# Altium PCB PCB_IC.PcbDoc (part 2 of 4)
Units mm, origin at the board's own origin, x right, y up, seen from the top; angles counter-clockwise.
Board outline 86.27 x 163.53 mm, 4 copper layers (Top Layer, Mid 1, Mid 2, Bottom Layer), stack 0.778 mm thick; 429 components, 360 nets, 1348 pads, 311 vias.
Unrouted connection lines stored in the file: 4.
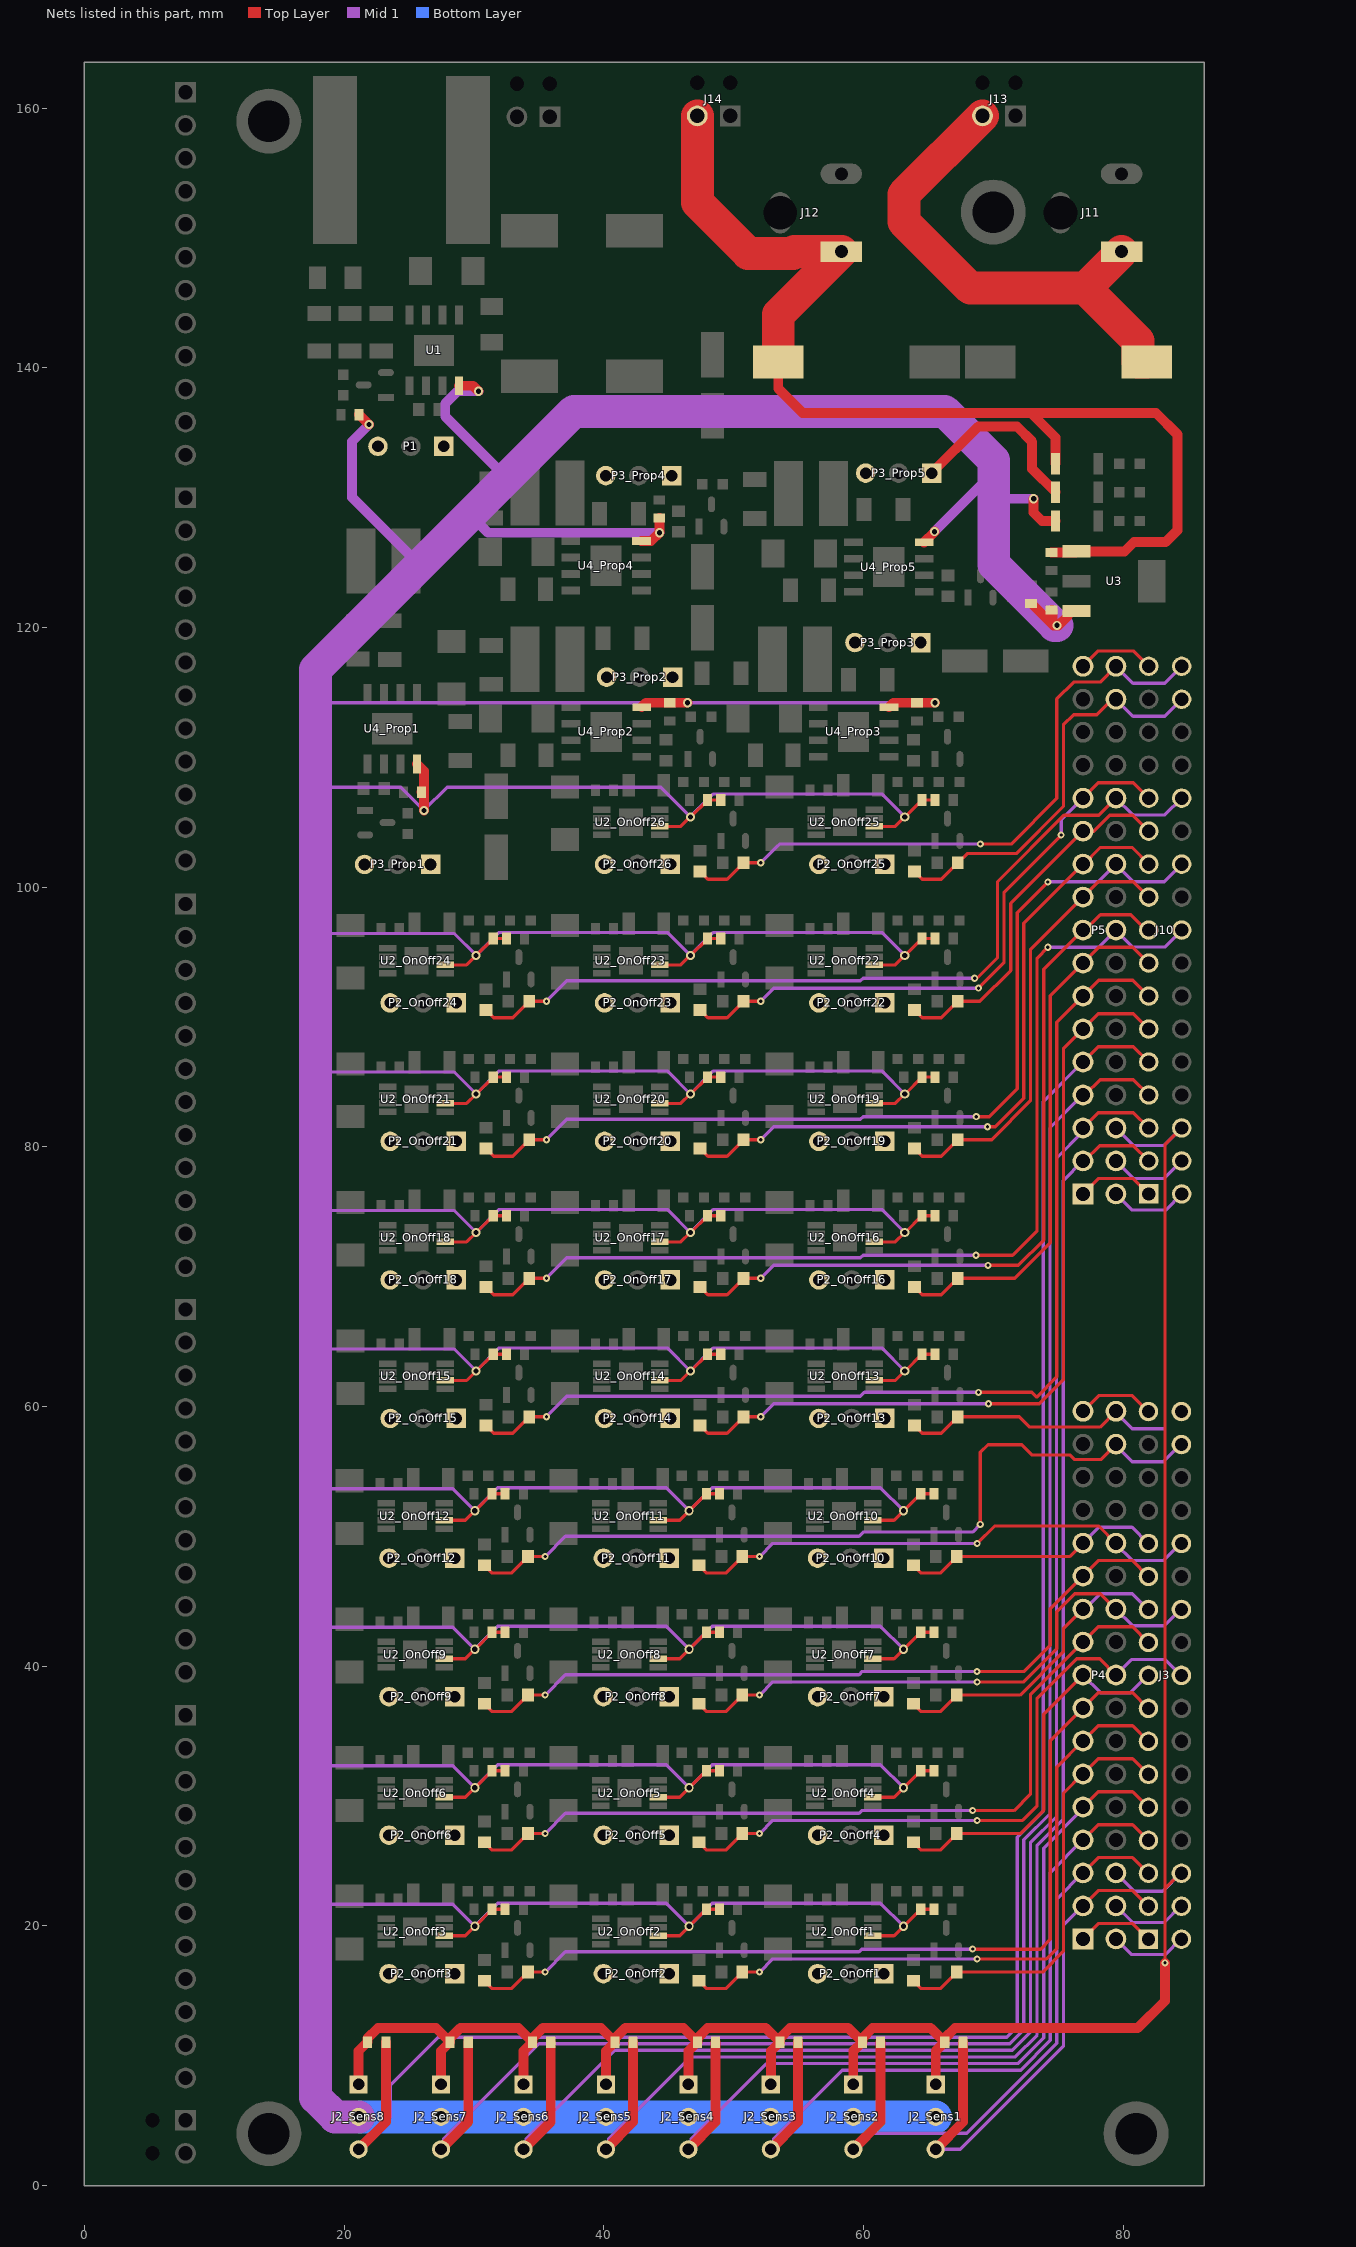
[diagram p4: the nets of this part, all layers, seen from the top]

## Components (designator, comment, footprint, x,y, rotation, side; value= is the part's Value field where it differs from the comment) (continued)
R10_OnOff21 "960R 1206" RESC1206(3216)_L 26.77,86.518 r0 top value="953.00 Ohm" (schematic designator R10)
R10_OnOff22 "960R 1206" RESC1206(3216)_L 59.79,97.186 r0 top value="953.00 Ohm" (schematic designator R10)
R10_OnOff23 "960R 1206" RESC1206(3216)_L 43.28,97.186 r0 top value="953.00 Ohm" (schematic designator R10)
R10_OnOff24 "960R 1206" RESC1206(3216)_L 26.77,97.186 r0 top value="953.00 Ohm" (schematic designator R10)
R10_OnOff25 "960R 1206" RESC1206(3216)_L 59.79,107.854 r0 top value="953.00 Ohm" (schematic designator R10)
R10_OnOff26 "960R 1206" RESC1206(3216)_L 43.28,107.854 r0 top value="953.00 Ohm" (schematic designator R10)
R11 "5K49 1206" R-1206 76.438,132.626 r180 top value="10000.00 Ohm"
R12 "750R 1206" R-1206 76.438,128.206 r180 top value="10000.00 Ohm"
R13 "2K49 1206" R-1206 76.438,130.429 r180 top value="10000.00 Ohm"
R14_Sens1 "DNP" RESC0603(1608)_L 66.963,11.049 r180 top value="249.00 Ohm" (schematic designator R14)
R14_Sens2 "DNP" RESC0603(1608)_L 60.613,11.049 r180 top value="249.00 Ohm" (schematic designator R14)
R14_Sens3 "DNP" RESC0603(1608)_L 54.263,11.049 r180 top value="249.00 Ohm" (schematic designator R14)
R14_Sens4 "DNP" RESC0603(1608)_L 47.913,11.049 r180 top value="249.00 Ohm" (schematic designator R14)
R14_Sens5 "DNP" RESC0603(1608)_L 41.563,11.049 r180 top value="249.00 Ohm" (schematic designator R14)
R14_Sens6 "DNP" RESC0603(1608)_L 35.213,11.049 r180 top value="249.00 Ohm" (schematic designator R14)
R14_Sens7 "DNP" RESC0603(1608)_L 28.863,11.049 r180 top value="249.00 Ohm" (schematic designator R14)
R14_Sens8 "DNP" RESC0603(1608)_L 22.513,11.049 r180 top value="249.00 Ohm" (schematic designator R14)
R15_Prop1 "500R" RESC0603(1608)_L 25.26,107.321 r0 top value="510.00 Ohm" (schematic designator R15)
R15_Prop2 "500R" RESC0603(1608)_L 45.08,113.51 r90 top value="510.00 Ohm" (schematic designator R15)
R15_Prop3 "500R" RESC0603(1608)_L 64.13,113.51 r90 top value="510.00 Ohm" (schematic designator R15)
R15_Prop4 "500R" RESC0603(1608)_L 44.281,129.135 r270 top value="510.00 Ohm" (schematic designator R15)
R15_Prop5 "500R" RESC0603(1608)_L 72.907,122.555 r270 top value="510.00 Ohm" (schematic designator R15)
R16_Prop1 "10K" RESC0603(1608)_N 22.297,107.593 r180 top value="10000.00 Ohm" (schematic designator R16)
R16_Prop2 "10K" RESC0603(1608)_N 44.808,110.546 r270 top value="10000.00 Ohm" (schematic designator R16)
R16_Prop3 "10K" RESC0603(1608)_N 63.858,110.546 r270 top value="10000.00 Ohm" (schematic designator R16)
R16_Prop4 "10K" RESC0603(1608)_N 45.754,128.168 r90 top value="10000.00 Ohm" (schematic designator R16)
R16_Prop5 "10K" RESC0603(1608)_N 66.506,123.215 r270 top value="10000.00 Ohm" (schematic designator R16)
R17_Prop1 "1R 1206" RESC1206(3216)_N 21.066,119.026 r270 top value="1.20 Ohm" (schematic designator R17)
R17_Prop2 "1R 1206" RESC1206(3216)_N 34.089,110.165 r0 top value="1.20 Ohm" (schematic designator R17)
R17_Prop3 "1R 1206" RESC1206(3216)_N 53.139,110.165 r0 top value="1.20 Ohm" (schematic designator R17)
R17_Prop4 "1R 1206" RESC1206(3216)_N 34.07,122.961 r0 top value="1.20 Ohm" (schematic designator R17)
R17_Prop5 "1R 1206" RESC1206(3216)_N 55.847,122.866 r0 top value="1.20 Ohm" (schematic designator R17)
U1 "DRV8870" SOIC127P600X170_HS-9N 26.933,141.351 r90 top
U2_OnOff1 "TPS1H000" TSOP65P490X110_HS-9N 58.48,19.558 r180 top (schematic designator U2)
U2_OnOff2 "TPS1H000" TSOP65P490X110_HS-9N 41.983,19.564 r180 top (schematic designator U2)
U2_OnOff3 "TPS1H000" TSOP65P490X110_HS-9N 25.473,19.564 r180 top (schematic designator U2)
U2_OnOff4 "TPS1H000" TSOP65P490X110_HS-9N 58.493,30.232 r180 top (schematic designator U2)
U2_OnOff5 "TPS1H000" TSOP65P490X110_HS-9N 41.983,30.232 r180 top (schematic designator U2)
U2_OnOff6 "TPS1H000" TSOP65P490X110_HS-9N 25.473,30.232 r180 top (schematic designator U2)
U2_OnOff7 "TPS1H000" TSOP65P490X110_HS-9N 58.493,40.9 r180 top (schematic designator U2)
U2_OnOff8 "TPS1H000" TSOP65P490X110_HS-9N 41.983,40.9 r180 top (schematic designator U2)
U2_OnOff9 "TPS1H000" TSOP65P490X110_HS-9N 25.473,40.9 r180 top (schematic designator U2)
U2_OnOff10 "TPS1H000" TSOP65P490X110_HS-9N 58.493,51.568 r180 top (schematic designator U2)
U2_OnOff11 "TPS1H000" TSOP65P490X110_HS-9N 41.983,51.568 r180 top (schematic designator U2)
U2_OnOff12 "TPS1H000" TSOP65P490X110_HS-9N 25.473,51.568 r180 top (schematic designator U2)
U2_OnOff13 "TPS1H000" TSOP65P490X110_HS-9N 58.589,62.332 r180 top (schematic designator U2)
U2_OnOff14 "TPS1H000" TSOP65P490X110_HS-9N 42.079,62.332 r180 top (schematic designator U2)
U2_OnOff15 "TPS1H000" TSOP65P490X110_HS-9N 25.569,62.332 r180 top (schematic designator U2)
U2_OnOff16 "TPS1H000" TSOP65P490X110_HS-9N 58.589,73 r180 top (schematic designator U2)
U2_OnOff17 "TPS1H000" TSOP65P490X110_HS-9N 42.079,73 r180 top (schematic designator U2)
U2_OnOff18 "TPS1H000" TSOP65P490X110_HS-9N 25.569,73 r180 top (schematic designator U2)
U2_OnOff19 "TPS1H000" TSOP65P490X110_HS-9N 58.589,83.668 r180 top (schematic designator U2)
U2_OnOff20 "TPS1H000" TSOP65P490X110_HS-9N 42.079,83.668 r180 top (schematic designator U2)
U2_OnOff21 "TPS1H000" TSOP65P490X110_HS-9N 25.569,83.668 r180 top (schematic designator U2)
U2_OnOff22 "TPS1H000" TSOP65P490X110_HS-9N 58.589,94.336 r180 top (schematic designator U2)
U2_OnOff23 "TPS1H000" TSOP65P490X110_HS-9N 42.079,94.336 r180 top (schematic designator U2)
U2_OnOff24 "TPS1H000" TSOP65P490X110_HS-9N 25.569,94.336 r180 top (schematic designator U2)
U2_OnOff25 "TPS1H000" TSOP65P490X110_HS-9N 58.589,105.004 r180 top (schematic designator U2)
U2_OnOff26 "TPS1H000" TSOP65P490X110_HS-9N 42.079,105.004 r180 top (schematic designator U2)
U3 "UA78M05CDCYR" FP-DCY0004A-MFG 79.303,123.571 r0 top
U4_Prop1 "DRV8870" SOIC127P600X170_HS-9N 23.71,112.205 r90 top (schematic designator U4)
U4_Prop2 "DRV8870" SOIC127P600X170_HS-9N 40.196,111.959 r180 top (schematic designator U4)
U4_Prop3 "DRV8870" SOIC127P600X170_HS-9N 59.246,111.959 r180 top (schematic designator U4)
U4_Prop4 "DRV8870" SOIC127P600X170_HS-9N 40.177,124.755 r180 top (schematic designator U4)
U4_Prop5 "DRV8870" SOIC127P600X170_HS-9N 61.954,124.66 r180 top (schematic designator U4)

## Footprints (in the part's own frame and the unit in brackets; to place one, negate y for a bottom-side part, rotate by r counter-clockwise, add the part's x,y. Pads: shape width x height; smd on the part's side, far side on the other; paste and mask are expansions set on the pad)
0603_A [mm] "Chip LED, 2-Leads, Body 1.6x0.8mm, IPC Medium Density"
  rect 0.8x0.8 smd: 1(-0.8,0) 2(0.8,0)
  silkscreen extent -1.5,-0.3 -1.5,0.3, body extent -0.8,-0.4 0.8,0.4, height 0.7
613034243121 [mm]
  rect 1.5x1.5 hole 1.02: 1(20.066,5.664)
  round 1.5 hole 1.02: 2(20.066,8.204) 3(17.526,5.664) 4(17.526,8.204) 5(14.986,5.664) 6(14.986,8.204) 7(12.446,5.664) 8(12.446,8.204) 9(9.906,5.664) 10(9.906,8.204) 11(7.366,5.664) 12(7.366,8.204) 13(4.826,5.664) 14(4.826,8.204) 15(2.286,5.664) 16(2.286,8.204) 17(-0.254,5.664) 18(-0.254,8.204) 19(-2.794,5.664) 20(-2.794,8.204) 21(-5.334,5.664) 22(-5.334,8.204) 23(-7.874,5.664) 24(-7.874,8.204) 25(-10.414,5.664) 26(-10.414,8.204) 27(-12.954,5.664) 28(-12.954,8.204) 29(-15.494,5.664) 30(-15.494,8.204) 31(-18.034,5.664) 32(-18.034,8.204) 33(-20.574,5.664) 34(-20.574,8.204)
  silkscreen extent -22.24,9.44 21.74,18.14, body extent -22.09,5.44 21.59,18.04, height 5.05
CAPAE127P600-8N [mm] "Aluminium Polymer Capacitor"
  rect 4.4x2.6 smd: 1(-4.05,0) 2(4.05,0)
  silkscreen extent -5.25,-5.25 5.25,5.25, body extent -5.25,-5.25 5.25,5.25, height 16.8
CAPAE137130X163M [mm] "Aluminum Electrolytic Capacitor, Body 13.00x13.00x16.30mm, IPC Low Density"
  rect 3.9x2.55 smd: 1(-6.025,0) 2(6.025,0)
  silkscreen extent -6.6,-6.6 6.6,6.6, body extent -6.85,-6.6 6.85,6.6, height 16.3
CAPC0603(1608)100_L [mm] "Chip Capacitor, Body 1.6x0.8mm, Height 1.0mm, IPC High Density"
  rect 0.7x0.9 smd: 1(-0.7,0) 2(0.7,0)
  silkscreen extent -0.05,-0.35 0.05,0.35, body extent -0.87,-0.47 0.88,0.48, height 1
CAPC1206(3216)190_N [mm] "Chip Capacitor, Body 3.2x1.6mm, Height 1.9mm, IPC Medium Density"
  rect 1.15x1.8 smd: 1(-1.5,0) 2(1.5,0)
  silkscreen extent -0.55,-0.8 0.55,0.8, body extent -1.7,-0.9 1.7,0.9, height 1.9
EEH-ZA1H220P [mm] "Aluminium Polymer"
  rect 3.5x1.8 smd: 1(-2.35,0) 2(2.35,0)
  silkscreen extent -3.4,-3.4 3.4,3.4, body extent -3.4,-3.4 3.4,3.4, height 6.1
FP-318-08-IPC_C [mm]
  rect 1.224x0.538 smd paste+0 mask+0: 1(-0.86,0.95)
  rrect100% 1.224x0.538 smd paste+0 mask+0: 2(-0.86,-0.95) 3(0.86,0)
  silkscreen extent -0.65,-1.45 0.65,1.45, body extent -1.57,-1.55 1.57,1.55, height 0.25
FP-B3B-XH-A_LF_SN-MFG [mm]
  rect 1.4x1.4 hole 0.9 paste-1000 mask+0: 1(-2.5,0.525)
  round 1.4 hole 0.9 paste-1000 mask+0: 2(0,0.525) 3(2.5,0.525)
  silkscreen extent -5.61,-2.88 4.95,2.88, body extent -5.05,-2.98 5.05,2.98, height 0.25
FP-CL31-IPC_B [mm]
  rect 1.305x1.758 smd paste+0 mask+0: 1(-1.376,0) 2(1.376,0)
  silkscreen extent -0.42,-0.88 0.42,0.88, body extent -2.28,-1.13 2.28,1.13, height 0.25
FP-DCY0004A-MFG [mm]
  rect 2.15x0.95 smd paste+0 mask+0: 1(-2.9,2.3) 2(-2.9,0) 3(-2.9,-2.3)
  rect 2.15x3.25 smd paste+0 mask+0: 4(2.9,0)
  silkscreen extent -4.72,-3.35 1.85,3.35, body extent -4.08,-3.45 4.08,3.45, height 0.25
FP-DO-214AC-MFG [mm]
  rect 1.78x2.16 smd paste+0 mask+0: 1(-2.025,0) 2(2.025,0)
  silkscreen extent -3.67,-1.46 2.37,1.46, body extent -3.02,-1.56 3.02,1.56, height 0.25
FP-PJ-102A-MFG [mm]
  rect 3.2x1.6 hole 1 slot 2.6 at 0 deg paste-1000 mask+0: 1(0,-6.5)
  rrect100% 3.2x1.6 hole 1 slot 2.6 at 0 deg paste-1000 mask+0: 2(0,-0.5)
  rrect100% 1.6x3.2 hole 2.6 slot 1 at 0 deg paste-1000 mask+0: 3(-4.7,-3.5)
  silkscreen extent -4.6,-8 4.6,7.3
HDR1X3 [mm] "Connector; Header; 3 Position"
  rect 1.5x1.5 hole 0.9: 1(0,0)
  round 1.5 hole 0.9: 2(2.54,0) 3(5.08,0)
  silkscreen extent -1.27,-1.27 6.35,1.27
L0404 [mm]
  rect 2.23x5.02 smd: 1(-1.735,0) 2(1.735,0)
  silkscreen extent -0.25,-2.41 0.25,2.41, body extent -2.5,-2.5 2.5,2.5, height 3
L1212 [mm]
  rect 3.4x12.94 smd: 1(-5.13,0) 2(5.13,0)
  silkscreen extent -3.05,-6.37 3.05,6.37, body extent -6.4,-6.4 6.4,6.4, height 10
PHOE-1725656-2 [mm] "Connector, 2-Leads, Body 6.2x5.4mm, Pitch 2.54mm"
  rect 1.6x1.6 hole 1.1: 1(-1.27,0)
  round 1.6 hole 1.1: 2(1.27,0)
  round 0 hole 1.1 unplated: MH1(-1.27,-2.54) MH2(1.27,-2.54)
  silkscreen extent -3.55,-3.1 2.77,3.1, body extent -2.77,-3.1 2.77,3.1, height 9
PHOE-1725656-12 [mm] "Connector, 2-Leads, Body 6.2x5.4mm, Pitch 2.54mm"
  rect 1.6x1.6 hole 1.1: 1(-1.27,0)
  round 1.6 hole 1.1: 2(1.27,0) 3(3.81,0) 4(6.35,0) 5(8.89,0) 6(11.43,0) 7(13.97,0) 8(16.51,0) 9(19.05,0) 10(21.59,0) 11(24.13,0) 12(26.67,0)
  silkscreen extent -3.54,-3.1 28.19,3.1, body extent -2.77,-3.1 28.19,3.1, height 0.25
PHT-117-01-L-D [mm]
  rect 1.6x1.6 hole 1.081: 1(0,0)
  round 1.6 hole 1.081: 2(0,2.54) 3(-2.54,0) 4(-2.54,2.54) 5(-5.08,0) 6(-5.08,2.54) 7(-7.62,0) 8(-7.62,2.54) 9(-10.16,0) 10(-10.16,2.54) 11(-12.7,0) 12(-12.7,2.54) 13(-15.24,0) 14(-15.24,2.54) 15(-17.78,0) 16(-17.78,2.54) 17(-20.32,0) 18(-20.32,2.54) 19(-22.86,0) 20(-22.86,2.54) 21(-25.4,0) 22(-25.4,2.54) 23(-27.94,0) 24(-27.94,2.54) 25(-30.48,0) 26(-30.48,2.54) 27(-33.02,0) 28(-33.02,2.54) 29(-35.56,0) 30(-35.56,2.54) 31(-38.1,0) 32(-38.1,2.54) 33(-40.64,0) 34(-40.64,2.54)
  silkscreen extent -42.04,-1.24 1.4,3.78, body extent -41.85,-1.25 1.21,3.78, height 8.18
R-1206 [mm]
  rect 0.7x1.65 smd: 1(-1.65,0) 2(1.65,0)
  silkscreen extent -0.9,-0.72 0.9,0.72, body extent -1.6,-0.8 1.6,0.8, height 0.55
RESC0603(1608)_L [mm] "Chip Resistor, Body 1.6x0.8mm, IPC High Density"
  rect 0.7x0.9 smd: 1(-0.7,0) 2(0.7,0)
  silkscreen extent -0.05,-0.35 0.05,0.35, body extent -0.85,-0.47 0.85,0.47, height 0.6
RESC0603(1608)_N [mm] "Chip Resistor, Body 1.6x0.8mm, IPC Medium Density"
  rect 0.9x1 smd: 1(-0.8,0) 2(0.8,0)
  silkscreen extent -0.05,-0.4 0.05,0.4, body extent -0.85,-0.47 0.85,0.47, height 0.6
RESC1206(3216)_L [mm] "Chip Resistor, Body 3.2x1.6mm, IPC High Density"
  rect 0.95x1.7 smd: 1(-1.35,0) 2(1.35,0)
  silkscreen extent -0.5,-0.75 0.5,0.75, body extent -1.67,-0.87 1.67,0.87, height 0.75
RESC1206(3216)_N [mm] "Chip Resistor, Body 3.2x1.6mm, IPC Medium Density"
  rect 1.15x1.8 smd: 1(-1.45,0) 2(1.45,0)
  silkscreen extent -0.5,-0.8 0.5,0.8, body extent -1.67,-0.87 1.67,0.87, height 0.75
SOIC127P600X170_HS-9N [mm] "SOIC, 8-Leads, Body 4.90x3.90mm, Pitch 1.27mm, Thermal Pad 3.10x2.40mm, IPC Medium Density"
  rect 1.45x0.6 smd: 1(-2.725,1.905) 2(-2.725,0.635) 3(-2.725,-0.635) 4(-2.725,-1.905) 5(2.725,-1.905) 6(2.725,-0.635) 7(2.725,0.635) 8(2.725,1.905)
  rect 2.4x3.1 smd: 1(0,0)
  silkscreen extent -2.85,-2.5 1.6,2.88, body extent -3,-2.5 3,2.5, height 1.7
TSOP65P490X110_HS-9N [mm] "TSOP, 8-Leads, Body 3.00x3.00mm, Pitch 0.65mm, Thermal Pad 2.15x1.85mm, IPC Medium Density"
  rect 1.35x0.5 smd: 1(-2.225,0.975) 2(-2.225,0.325) 3(-2.225,-0.325) 4(-2.225,-0.975) 5(2.225,-0.975) 6(2.225,-0.325) 7(2.225,0.325) 8(2.225,0.975)
  rect 1.85x2.15 smd: 6(0,0)
  silkscreen extent -2.35,-1.55 1.15,1.9, body extent -2.45,-1.55 2.45,1.55, height 1.1

## Part data
C1 C3: library part CMP-13271-001276-1, "Cap Ceramic 100nF 50V X7R ±10% SMD 1206 +125°C Embossed T/R", Capacitance=100nF, Case Code (Imperial)=1206, Case Code (Metric)=3216, Dielectric=X7R, Max Operating Temperature=125°C, Min Operating Temperature=-55°C, Package Quantity=1, Tolerance=10%, Voltage Rating=50V, Case/Package=1206, Depth=1.6mm, Height=0.85mm, Length=0.126inch, Mount="Surface Mount", Packaging="Tape and Reel", Radiation Hardening=No, Thickness=0.037inch, Width=0.063inch
C2 C4 C9_Prop1 C9_Prop2 C9_Prop3 C9_Prop4 C9_Prop5 C12 C13: library part C-Poly, Capacitance=22000000pF, Case Code=D, Case Style=Molded, Manufacturer=AVX, Operating Temp Range=-55Cto125C, Package / Case=7343-31, Package Description="2-Pin Surface Mount Device, Body 7.3 x 4.35 mm", Tolerance (+ or -)=10%, Voltage=25VDC, Construction=SMTChip, Datasheet URL=https://datasheet.ciiva.com/11793/0900766b80066cb4-11793194.pdf, Datasheet Version=02/2004, DCL=5.5uA, DELETED=Compliant, DF=6%, ESR=0.2ohm, Failure Rate=NotRequired, Insulation=NotRequired, Lead Spacing (nom)=NotRequiredmm, Length W/Weld=NotRequiredmm, Length W/Weld (max)=NotRequiredmm, Manufacturer URL=http://www.avx.com/, Mounting Style=SurfaceMount, Mounting Technology=SurfaceMount, Package Reference=7343-31, Packaging=TapeandReel, Polarity=Polar, Product Depth (mm)=4.3mm, Product Diameter (mm)=NotRequiredmm, Product Height (mm)=2.9mm, Product Length (mm)=7.3mm, Rad Hardened=No, Seal=NotRequired, Seated Plane Height=NotRequiredmm, Wire Form=NotRequired
C5_OnOff1 C5_OnOff2 C5_OnOff3 C5_OnOff4 C5_OnOff5 C5_OnOff6 C5_OnOff7 C5_OnOff8 C5_OnOff9 C5_OnOff10 C5_OnOff11 C5_OnOff12 C5_OnOff13 C5_OnOff14 C5_OnOff15 C5_OnOff16 C5_OnOff17 C5_OnOff18 C5_OnOff19 C5_OnOff20 C5_OnOff21 C5_OnOff22 C5_OnOff23 C5_OnOff24 C5_OnOff25 C5_OnOff26: library part CMP-1035-02322-1, "CAP 10nF 50V ±20% 0603 (1608 Metric) Thickness 1mm SMD", Case-EIA=0603, Case-Metric=1608, Rated Voltage="50 V", Tolerance=Â±20%, Max Thickness="1 mm", Technology=SMT
C6: library part CMP-1035-02677-1, "CAP 330nF 35V ±10% 0603 (1608 Metric) Thickness 1mm SMD", Case-EIA=0603, Case-Metric=1608, Rated Voltage="35 V", Tolerance=Â±10%, Max Thickness="1 mm", Technology=SMT
C7: library part CMP-1035-02743-1, "CAP 1uF 35V ±10% 0603 (1608 Metric) Thickness 1mm SMD", Case-EIA=0603, Case-Metric=1608, Rated Voltage="35 V", Tolerance=Â±10%, Max Thickness="1 mm", Technology=SMT
C10_Prop1 C10_Prop2 C10_Prop3 C10_Prop4 C10_Prop5 C11_Prop1 C11_Prop2 C11_Prop3 C11_Prop4 C11_Prop5: library part CMP-1037-04983-1, "CAP 10uF 50V ±20% 1206 (3216 Metric) Thickness 1.9mm SMD", Case-EIA=1206, Case-Metric=3216, Rated Voltage="50 V", Tolerance=Â±20%, Max Thickness="1.9 mm", Technology=SMT
D1 D3_OnOff1 D3_OnOff2 D3_OnOff3 D3_OnOff4 D3_OnOff5 D3_OnOff6 D3_OnOff7 D3_OnOff8 D3_OnOff9 D3_OnOff10 D3_OnOff11 D3_OnOff12 D3_OnOff13 D3_OnOff14 D3_OnOff15 D3_OnOff16 D3_OnOff17 D3_OnOff18 D3_OnOff19 D3_OnOff20 D3_OnOff21 D3_OnOff22 D3_OnOff23 D3_OnOff24 D3_OnOff25 D3_OnOff26 D6 D7 D8 D9_Prop1 D9_Prop2 D9_Prop3 D9_Prop4 D9_Prop5: library part CMP-1426-00002-1, "SMD mono-color Chip LED, WL-SMCW, Green", Color=Green, Manufacturer="Wuerth Elektronik", PartNumber=150060GS75000, ComponentLink1Description="Manufacturer URL", ComponentLink1URL=http://www.we-online.com, ComponentLink2Description=Datasheet, ComponentLink2URL=http://katalog.we-online.com/led/datasheet/150060GS75000.pdf, PackageReference=0603_A
D2 D5_OnOff1 D5_OnOff2 D5_OnOff3 D5_OnOff4 D5_OnOff5 D5_OnOff6 D5_OnOff7 D5_OnOff8 D5_OnOff9 D5_OnOff10 D5_OnOff11 D5_OnOff12 D5_OnOff13 D5_OnOff14 D5_OnOff15 D5_OnOff16 D5_OnOff17 D5_OnOff18 D5_OnOff19 D5_OnOff20 D5_OnOff21 D5_OnOff22 D5_OnOff23 D5_OnOff24 D5_OnOff25 D5_OnOff26 D10_Prop1 D10_Prop2 D10_Prop3 D10_Prop4 D10_Prop5: library part CMP-56206-000004-1, "DIODE SCHOTTKY 5A 30V SMA", Average Rectified Current=5A, Case/Package=SMA, Max Reverse Voltage (DC)=30V, Mount="Surface Mount", Packaging="Tape and Reel"
D4_OnOff1 D4_OnOff2 D4_OnOff3 D4_OnOff4 D4_OnOff5 D4_OnOff6 D4_OnOff7 D4_OnOff8 D4_OnOff9 D4_OnOff10 D4_OnOff11 D4_OnOff12 D4_OnOff13 D4_OnOff14 D4_OnOff15 D4_OnOff16 D4_OnOff17 D4_OnOff18 D4_OnOff19 D4_OnOff20 D4_OnOff21 D4_OnOff22 D4_OnOff23 D4_OnOff24 D4_OnOff25 D4_OnOff26: library part CMP-1426-00001-1, "SMD mono-color Chip LED, WL-SMCW, Red", Color=Red, Manufacturer="Wuerth Elektronik", PartNumber=150060RS75000, ComponentLink1Description="Manufacturer URL", ComponentLink1URL=http://www.we-online.com, ComponentLink2Description=Datasheet, ComponentLink2URL=http://katalog.we-online.com/led/datasheet/150060RS75000.pdf, PackageReference=0603_A
J1 J9 J13 J14: library part CMP-2000-05299-1, "Male Header, Pitch 2.54 mm, 1 x 2 Position, Height 9 mm, Tail Length 3.5 mm", Colour=Green, Manufacturer="Phoenix Contact", Content=250pc(s), Datasheet URL=http://datasheet.octopart.com/1725656-Phoenix-Contact-datasheet-5302866.pdf, Datasheet Version=Apr-08, Industrial packaging=Yes, Manufacturer part No.=1725656, Manufacturer URL=http://www.phoenixcontact.com/, Number of contacts=2, Pitch=2.54mm, Type=MPT0,5/2-2,54
J2_Sens1 J2_Sens2 J2_Sens3 J2_Sens4 J2_Sens5 J2_Sens6 J2_Sens7 J2_Sens8: library part CMP-17439-000014-1, "CONN HEADER VERT 3POS 2.5MM", Current Rating=3A, Manufacturer=JST, Package=0, Temperature="-25°C to +85°C", Temperature Range High=+85°C, Temperature Range Low=-25°C, Voltage Rating=250V, Automotive=No, Category=Conn, ComponentLink2Description=Datasheet, ComponentLink2URL=https://www.jst-mfg.com/product/pdf/eng/eXH.pdf, Conn Gender=Male, Conn Orientation=Vertical, Contact Material=Tin,Copper, Device Class L1=Connectors, Device Class L2="Headers and Wire Housings", Device Class L3=unset, Digikey Description="CONN HEADER VERT 3POS 2.5MM", Height=7mm, Lead Free=Yes, Manufacturer Part Number=B3B-XH-A(LF)(SN), Number of contacts=3, Number Of Rows=1, Octopart=https://octopart.com/b3b-xh-a%28lf%29%28sn%29-jst-3990185, Pitch=2.5mm, RoHS=TRUE
J4 J5 J6 J7 J8: library part 1725753
J11 J12: library part CMP-14830-000006-1, "CONN PWR JACK 2X5.5MM SOLDER", Current Rating=2.5A, Manufacturer=CUI, Temperature="-25°C to +85°C", Temperature Range High=+85°C, Temperature Range Low=-25°C, Voltage=24V, Automotive=No, Category=Conn, ComponentLink2Description=Datasheet, ComponentLink2URL=http://www.cui.com/product/resource/pj-102a.pdf, Conn Gender=Male, Conn Orientation="Right Angle", Contact Material=Tin,Nickel, Device Class L1=Connectors, Device Class L2="Power Connectors", Device Class L3=unset, Digikey Description="CONN PWR JACK 2X5.5MM SOLDER", Height=11.2mm, Industry Recognized Mating Diameter="2.10mm ID (0.083\"), 5.50mm OD (0.217\")", Lead Free=Yes, Manufacturer Part Number=PJ-102A, Mouser Description="DC Power Connectors Power Jacks", Number of contacts=3, Number of Positions/Contacts="2 Conductors, 3 Contacts", Octopart=https://octopart.com/pj-102a-cui-286936, Package=PJ-102A, RoHS=TRUE, Voltage Rating=24V
L1: library part Inductor1212, Inductance="1.50 ÂµH", Manufacturer="Wuerth Elektronik", PartNumber=74479763215, ComponentLink1Description="Manufacturer URL", ComponentLink1URL=http://www.we-online.com, ComponentLink2Description=Datasheet, ComponentLink2URL=http://katalog.we-online.de/kataloge/eisos/media/pdf/74479763215.pdf, PackageReference="SMD 0603_A"
L2_Prop1 L2_Prop2 L2_Prop3 L2_Prop4 L2_Prop5: library part Inductor0404, Inductance="1.50 ÂµH", Manufacturer="Wuerth Elektronik", PartNumber=74479763215, ComponentLink1Description="Manufacturer URL", ComponentLink1URL=http://www.we-online.com, ComponentLink2Description=Datasheet, ComponentLink2URL=http://katalog.we-online.de/kataloge/eisos/media/pdf/74479763215.pdf, PackageReference="SMD 0603_A"
P1 P2_OnOff1 P2_OnOff2 P2_OnOff3 P2_OnOff4 P2_OnOff5 P2_OnOff6 P2_OnOff7 P2_OnOff8 P2_OnOff9 P2_OnOff10 P2_OnOff11 P2_OnOff12 P2_OnOff13 P2_OnOff14 P2_OnOff15 P2_OnOff16 P2_OnOff17 P2_OnOff18 P2_OnOff19 P2_OnOff20 P2_OnOff21 P2_OnOff22 P2_OnOff23 P2_OnOff24 P2_OnOff25 P2_OnOff26 P3_Prop1 P3_Prop2 P3_Prop3 P3_Prop4 P3_Prop5: "Header, 3-Pin", LatestRevisionDate=17-Jul-2002, LatestRevisionNote="Re-released for DXP Platform.", Publisher="Altium Limited"
Q1 Q2_OnOff1 Q2_OnOff2 Q2_OnOff3 Q2_OnOff4 Q2_OnOff5 Q2_OnOff6 Q2_OnOff7 Q2_OnOff8 Q2_OnOff9 Q2_OnOff10 Q2_OnOff11 Q2_OnOff12 Q2_OnOff13 Q2_OnOff14 Q2_OnOff15 Q2_OnOff16 Q2_OnOff17 Q2_OnOff18 Q2_OnOff19 Q2_OnOff20 Q2_OnOff21 Q2_OnOff22 Q2_OnOff23 Q2_OnOff24 Q2_OnOff25 Q2_OnOff26 Q3_Prop1 Q3_Prop2 Q3_Prop3 Q3_Prop4 Q3_Prop5: library part CMP-07170-000022-1, "TRANS NPN 65V 0.1A SOT-23", Case/Package=SOT-23-3, Collector Base Voltage (VCBO)=80V, Collector Emitter Breakdown Voltage=65V, Collector Emitter Saturation Voltage=600mV, Current Rating=100mA, Emitter Base Voltage (VEBO)=6V, Frequency=100MHz, Max Operating Temperature=150°C, Max Power Dissipation=300mW, Min Operating Temperature=-55°C, Package Quantity=1, Collector Emitter Voltage (VCEO)=65V, Contact Plating=Tin, Element Configuration=Single, Gain Bandwidth Product=100MHz, Halogen Free="Halogen Free", Height=1mm, hFE Min=200, Lead Free="Lead Free", Length=2.9mm, Max Breakdown Voltage=65V, Max Collector Current=100mA, Max Frequency=100MHz, Number of Elements=1, Number of Pins=3, Packaging="Tape and Reel", Polarity=NPN, Power Dissipation=300mW, Radiation Hardening=No, REACH SVHC="No SVHC", Transition Frequency=100MHz, Voltage Rating (DC)=65V, Width=1.3mm
R1 R6_OnOff1 R6_OnOff2 R6_OnOff3 R6_OnOff4 R6_OnOff5 R6_OnOff6 R6_OnOff7 R6_OnOff8 R6_OnOff9 R6_OnOff10 R6_OnOff11 R6_OnOff12 R6_OnOff13 R6_OnOff14 R6_OnOff15 R6_OnOff16 R6_OnOff17 R6_OnOff18 R6_OnOff19 R6_OnOff20 R6_OnOff21 R6_OnOff22 R6_OnOff23 R6_OnOff24 R6_OnOff25 R6_OnOff26 R9_OnOff1 R9_OnOff2 R9_OnOff3 R9_OnOff4 R9_OnOff5 R9_OnOff6 R9_OnOff7 R9_OnOff8 R9_OnOff9 R9_OnOff10 R9_OnOff11 R9_OnOff12 R9_OnOff13 R9_OnOff14 R9_OnOff15 R9_OnOff16 R9_OnOff17 R9_OnOff18 R9_OnOff19 R9_OnOff20 R9_OnOff21 R9_OnOff22 R9_OnOff23 R9_OnOff24 R9_OnOff25 R9_OnOff26 R15_Prop1 R15_Prop2 R15_Prop3 R15_Prop4 R15_Prop5: library part CMP-1012-00067-1, "510R 0.1W 5% 0603 (1608 Metric)  SMD", Case-EIA=0603, Case-Metric=1608, Power="0.1 W", Tolerance="5 %", Technology=SMT
R2 R7_OnOff1 R7_OnOff2 R7_OnOff3 R7_OnOff4 R7_OnOff5 R7_OnOff6 R7_OnOff7 R7_OnOff8 R7_OnOff9 R7_OnOff10 R7_OnOff11 R7_OnOff12 R7_OnOff13 R7_OnOff14 R7_OnOff15 R7_OnOff16 R7_OnOff17 R7_OnOff18 R7_OnOff19 R7_OnOff20 R7_OnOff21 R7_OnOff22 R7_OnOff23 R7_OnOff24 R7_OnOff25 R7_OnOff26 R8_OnOff1 R8_OnOff2 R8_OnOff3 R8_OnOff4 R8_OnOff5 R8_OnOff6 R8_OnOff7 R8_OnOff8 R8_OnOff9 R8_OnOff10 R8_OnOff11 R8_OnOff12 R8_OnOff13 R8_OnOff14 R8_OnOff15 R8_OnOff16 R8_OnOff17 R8_OnOff18 R8_OnOff19 R8_OnOff20 R8_OnOff21 R8_OnOff22 R8_OnOff23 R8_OnOff24 R8_OnOff25 R8_OnOff26 R16_Prop1 R16_Prop2 R16_Prop3 R16_Prop4 R16_Prop5: library part CMP-1012-00623-1, "10K 0.1W 1% 0603 (1608 Metric)  SMD", Case-EIA=0603, Case-Metric=1608, Power="0.1 W", Tolerance="1 %", Technology=SMT
R3 R4 R5 R17_Prop1 R17_Prop2 R17_Prop3 R17_Prop4 R17_Prop5: library part CMP-1014-00004-1, "1R2 0.25W 5% 1206 (3216 Metric)  SMD", Case-EIA=1206, Case-Metric=3216, Power="0.25 W", Tolerance="5 %", Technology=SMT
R10_OnOff1 R10_OnOff2 R10_OnOff3 R10_OnOff4 R10_OnOff5 R10_OnOff6 R10_OnOff7 R10_OnOff8 R10_OnOff9 R10_OnOff10 R10_OnOff11 R10_OnOff12 R10_OnOff13 R10_OnOff14 R10_OnOff15 R10_OnOff16 R10_OnOff17 R10_OnOff18 R10_OnOff19 R10_OnOff20 R10_OnOff21 R10_OnOff22 R10_OnOff23 R10_OnOff24 R10_OnOff25 R10_OnOff26: library part CMP-1014-00508-1, "953R 0.25W 1% 1206 (3216 Metric)  SMD", Case-EIA=1206, Case-Metric=3216, Power="0.25 W", Tolerance="1 %", Technology=SMT